# KiCad board VME_Protoboard_160.kicad_pcb (continued)
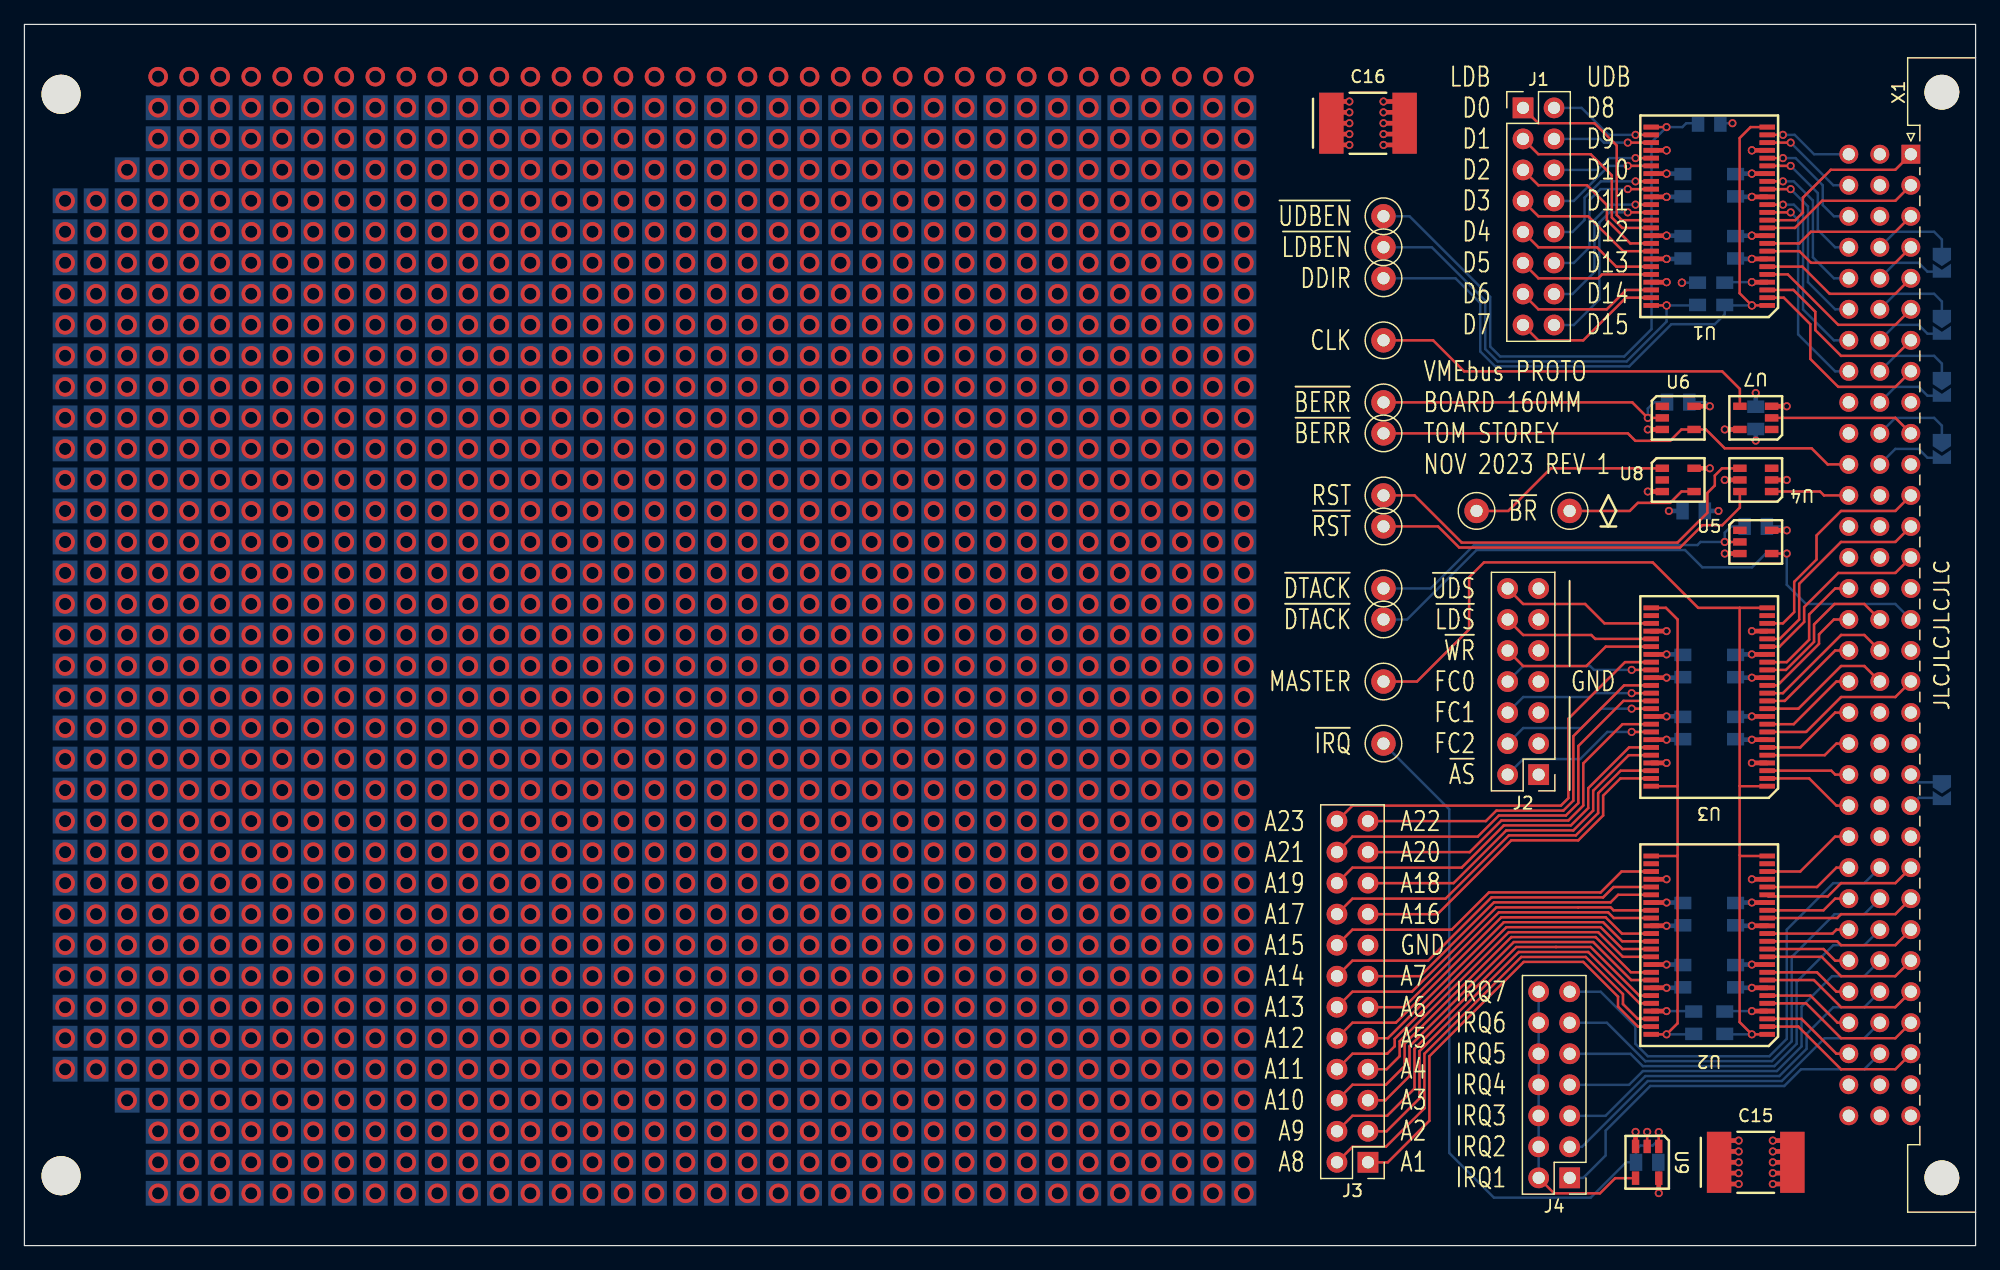
[diagram p0: board, top side]
## Routing (per net, layer and track width the routed paths; a pad name or vN(x,y) marks a point on that pad's centre or on a via; arc(x,y) is an arc through that point) (continued)
/~{IRQ7`}: length 40
  Bottom w0.203: 126.53,20.78 129.06,20.78 131.9,17.95 131.9,16.52 132.92,15.51 142.88,15.51 144.3,16.93 144.3,25.87 148.11,29.68 150.65,29.68 X1.b24
/~{IRQ}: length 58.8
  Top w0.203: v2(133.82,9.29) U9.1
  Bottom w0.203: v2(133.82,9.29) 133.82,8.68 133.33,8.19 132.31,8.19 131.96,7.84 R8.1 131.14,6.82 128.25,3.92 120.32,3.92 116.66,7.58 116.66,35.73 TP13.1
/~{LDBEN}: length 35.9
  Top w0.203: U1.48 v2(134.46,76.99)
  Bottom w0.203: R3.2 136.96,76.99 v2(134.46,76.99) 134.46,75.67 131.19,72.4 120.63,72.4 119.61,73.42 119.61,77.38 115.24,81.75 TP1.1
/~{LDS`}: length 17.3
  Top w0.203: U3.20 143.73,49.68 145.32,51.27 145.32,54.19 148.75,57.62 153.19,57.62 X1.a13
/~{LDS}: length 12.4
  Top w0.203: U3.29 128.62,49.68 128.3,50 122.71,50 J2.12
/~{SYSRESET`}: length 6.5
  Top w0.203: X1.c12 147.35,61.43 147.03,61.75 U4.1
/~{SYSRESET}: length 32.6
  Top w0.203: TP10.1 115.75,58.89 117.48,57.16 135.56,57.16 137.39,58.99 139.02,58.99 140.46,60.43 U4.6
/~{UDBEN}: length 51
  Top w0.203: U1.25 v2(134.46,91.59)
  Bottom w0.203: R2.2 136.07,91.91 135.75,91.59 v2(134.46,91.59) 133.23,90.36 133.23,75.04 130.99,72.81 120.83,72.81 120.02,73.62 120.02,77.69 113.41,84.29 TP3.1
/~{UDS`}: length 18.7
  Top w0.203: X1.a12 153.19,60.16 148.75,60.16 146.74,58.15 146.74,56.18 144.91,54.35 144.91,51.88 143.98,50.95 U3.22
/~{UDS}: length 12.9
  Top w0.203: J2.14 122.71,52.54 127.79,52.54 129.38,50.95 U3.27
/~{WRITE`}: length 15.5
  Top w0.203: U3.19 143.7,49.05 145.72,51.07 145.72,52.29 148.52,55.08 153.19,55.08 X1.a14
/~{WRITE}: length 12.9
  Top w0.203: U3.30 129.48,49.05 127.89,47.46 122.71,47.46 J2.10
Net-(J4-Pad10): length 24.2
  Top w0.203: U9.4 130.25,5.52 129.01,4.28 125.25,4.28 J4.2
  Bottom w0.203: J4.2 J4.4 J4.6 J4.8 J4.10 123.99,20.78
Net-(R5-Pad2): length 44.8
  Top w0.203: 135.36,37.66 135.36,51.27 134.41,52.22 U3.25 ; 135.36,37.66 135.32,37.62 U3.48 ; 135.36,37.66 135.36,18.2 v2(134.46,17.3) U2.48 ; 135.36,31.97 135.3,31.9 U2.25
  Bottom w0.203: R5.2 136.64,17.3 v2(134.46,17.3)
Net-(TP14-Pad1): length 10.8
  Top w0.203: TP14.1 131.45,60.16 132.11,60.82 134.75,60.82 135.68,61.75 U8.4

## Copper pours and planes (outline as drawn; the poured copper is in the pictures)
+5V on Bottom: 109.38,89.37 101.44,89.37 101.44,94.64 9.87,94.64 9.87,96.99 109.38,96.99
+5V on In2.Cu: 159.54,3.01 101.44,3.01 101.44,96.99 159.54,96.99
GND on Bottom (solid shape): 11.97,3.26 9.93,3.26 9.93,5.3 11.97,5.3
GND on Bottom (solid shape): 14.51,3.26 12.47,3.26 12.47,5.3 14.51,5.3
GND on Bottom (solid shape): 17.05,3.26 15.01,3.26 15.01,5.3 17.05,5.3
GND on Bottom (solid shape): 19.59,3.26 17.55,3.26 17.55,5.3 19.59,5.3
GND on Bottom (solid shape): 22.13,3.26 20.09,3.26 20.09,5.3 22.13,5.3
GND on Bottom (solid shape): 24.67,3.26 22.63,3.26 22.63,5.3 24.67,5.3
GND on Bottom (solid shape): 27.21,3.26 25.17,3.26 25.17,5.3 27.21,5.3
GND on Bottom (solid shape): 29.75,3.26 27.71,3.26 27.71,5.3 29.75,5.3
GND on Bottom (solid shape): 32.29,3.26 30.25,3.26 30.25,5.3 32.29,5.3
GND on Bottom (solid shape): 34.83,3.26 32.79,3.26 32.79,5.3 34.83,5.3
GND on Bottom (solid shape): 37.37,3.26 35.33,3.26 35.33,5.3 37.37,5.3
GND on Bottom (solid shape): 39.91,3.26 37.87,3.26 37.87,5.3 39.91,5.3
GND on Bottom (solid shape): 42.45,3.26 40.41,3.26 40.41,5.3 42.45,5.3
GND on Bottom (solid shape): 44.99,3.26 42.95,3.26 42.95,5.3 44.99,5.3
GND on Bottom (solid shape): 47.53,3.26 45.49,3.26 45.49,5.3 47.53,5.3
GND on Bottom (solid shape): 50.07,3.26 48.03,3.26 48.03,5.3 50.07,5.3
GND on Bottom (solid shape): 52.61,3.26 50.57,3.26 50.57,5.3 52.61,5.3
GND on Bottom (solid shape): 55.15,3.26 53.11,3.26 53.11,5.3 55.15,5.3
GND on Bottom (solid shape): 57.69,3.26 55.65,3.26 55.65,5.3 57.69,5.3
GND on Bottom (solid shape): 60.23,3.26 58.19,3.26 58.19,5.3 60.23,5.3
GND on Bottom (solid shape): 62.77,3.26 60.73,3.26 60.73,5.3 62.77,5.3
GND on Bottom (solid shape): 65.31,3.26 63.27,3.26 63.27,5.3 65.31,5.3
GND on Bottom (solid shape): 67.85,3.26 65.81,3.26 65.81,5.3 67.85,5.3
GND on Bottom (solid shape): 70.39,3.26 68.35,3.26 68.35,5.3 70.39,5.3
GND on Bottom (solid shape): 72.93,3.26 70.89,3.26 70.89,5.3 72.93,5.3
GND on Bottom (solid shape): 75.47,3.26 73.43,3.26 73.43,5.3 75.47,5.3
GND on Bottom (solid shape): 78.01,3.26 75.97,3.26 75.97,5.3 78.01,5.3
GND on Bottom (solid shape): 80.55,3.26 78.51,3.26 78.51,5.3 80.55,5.3
GND on Bottom (solid shape): 83.09,3.26 81.05,3.26 81.05,5.3 83.09,5.3
GND on Bottom (solid shape): 85.63,3.26 83.59,3.26 83.59,5.3 85.63,5.3
GND on Bottom (solid shape): 88.17,3.26 86.13,3.26 86.13,5.3 88.17,5.3
GND on Bottom (solid shape): 90.71,3.26 88.67,3.26 88.67,5.3 90.71,5.3
GND on Bottom (solid shape): 93.25,3.26 91.21,3.26 91.21,5.3 93.25,5.3
GND on Bottom (solid shape): 95.79,3.26 93.75,3.26 93.75,5.3 95.79,5.3
GND on Bottom (solid shape): 98.33,3.26 96.29,3.26 96.29,5.3 98.33,5.3
GND on Bottom (solid shape): 100.87,3.26 98.83,3.26 98.83,5.3 100.87,5.3
GND on In1.Cu: 159.54,3.01 0.16,3.01 0.16,96.99 159.54,96.99
GND on In2.Cu: 101.12,3.01 0.16,3.01 0.16,96.99 101.12,96.99
(no net) on Bottom: 143.67,34.12 142.4,34.12 142.4,35.39 143.67,35.39
(no net) on Bottom: 125.89,31.58 124.62,31.58 124.62,32.85 125.89,32.85
(no net) on Bottom: 120.81,31.58 119.53,31.58 119.53,32.85 120.81,32.85
(no net) on Bottom: 118.27,64.6 117,64.6 117,65.87 118.27,65.87
(no net) on Bottom: 130.97,31.58 129.7,31.58 129.7,32.85 130.97,32.85
(no net) on Bottom: 136.05,34.12 134.78,34.12 134.78,35.39 136.05,35.39
(no net) on Bottom: 123.34,64.6 122.08,64.6 122.08,65.87 123.34,65.87
(no net) on Bottom: 125.89,29.04 124.62,29.04 124.62,30.31 125.89,30.31
(no net) on Bottom: 128.43,29.04 127.16,29.04 127.16,30.31 128.43,30.31
(no net) on Bottom: 130.97,51.9 129.7,51.9 129.7,53.17 130.97,53.17
(no net) on Bottom: 133.51,34.12 132.24,34.12 132.24,35.39 133.51,35.39
(no net) on Bottom: 118.27,67.14 117,67.14 117,68.41 118.27,68.41
(no net) on Bottom: 125.89,64.6 124.62,64.6 124.62,65.87 125.89,65.87
(no net) on Bottom: 117.63,90 116.36,90 116.36,91.27 117.63,91.27
(no net) on Bottom: 128.43,67.14 127.16,67.14 127.16,68.41 128.43,68.41
(no net) on Bottom: 117.63,92.54 116.36,92.54 116.36,93.81 117.63,93.81
(no net) on Bottom: 120.81,29.04 119.53,29.04 119.53,30.31 120.81,30.31
(no net) on Bottom: 128.43,26.5 127.16,26.5 127.16,27.77 128.43,27.77
(no net) on Bottom: 125.89,67.14 124.62,67.14 124.62,68.41 125.89,68.41
(no net) on Bottom: 130.97,34.12 129.7,34.12 129.7,35.39 130.97,35.39
(no net) on Bottom: 117.63,87.46 116.36,87.46 116.36,88.73 117.63,88.73
(no net) on Bottom: 128.43,31.58 127.16,31.58 127.16,32.85 128.43,32.85
(no net) on Bottom: 123.34,67.14 122.08,67.14 122.08,68.41 123.34,68.41
(no net) on Bottom: 125.89,26.5 124.62,26.5 124.62,27.77 125.89,27.77
(no net) on Bottom: 123.34,26.5 122.08,26.5 122.08,27.77 123.34,27.77
(no net) on Bottom: 130.97,26.5 129.7,26.5 129.7,27.77 130.97,27.77
(no net) on Bottom: 138.59,34.12 137.31,34.12 137.31,35.39 138.59,35.39
(no net) on Bottom: 128.43,34.12 127.16,34.12 127.16,35.39 128.43,35.39
(no net) on Bottom: 146.09,34.13 144.82,34.13 144.82,35.4 146.09,35.4
(no net) on Bottom: 120.81,26.5 119.53,26.5 119.53,27.77 120.81,27.77
(no net) on Bottom: 120.81,67.14 119.53,67.14 119.53,68.41 120.81,68.41
(no net) on Bottom: 128.43,64.6 127.16,64.6 127.16,65.87 128.43,65.87
(no net) on Bottom: 123.34,31.58 122.08,31.58 122.08,32.85 123.34,32.85
(no net) on Bottom: 130.97,29.04 129.7,29.04 129.7,30.31 130.97,30.31
(no net) on Bottom: 120.81,64.6 119.53,64.6 119.53,65.87 120.81,65.87
(no net) on Bottom: 141.12,34.12 139.86,34.12 139.86,35.39 141.12,35.39
(no net) on Bottom: 123.34,29.04 122.08,29.04 122.08,30.31 123.34,30.31

Small or netless copper shapes (teardrops, artwork), in the pictures only: 1349 on Bottom

## Text on the board
B.Silkscreen: A23 / A21 / A19 / A17 / A15 / A14 / A13 / A12 / A11 / A10 / A9 / A8 | ~{UDBEN} | ~{LDBEN} | DDIR | CLK | ~{BERR} | RST | ~{RST} | ~{DTACK} | MASTER | ~{IRQ} | ~{UDS} / ~{LDS} / ~{WR} / FC0 / FC1 / FC2 / ~{AS} | LDB / D0 / D1 / D2 / D3 / D4 / D5 / D6 / D7 | IRQ7 / IRQ6 / IRQ5 / IRQ4 / IRQ3 / IRQ2 / IRQ1 | ~{BR} | +5V | GND | A22 / A20 / A18 / A16 / GND / A7 / A6 / A5 / A4 / A3 / A2 / A1 | UDB / D8 / D9 / D10 / D11 / D12 / D13 / D14 / D15 | BG3 | BG0 | IACK
F.Silkscreen: JLCJLCJLCJLC | A22 / A20 / A18 / A16 / GND / A7 / A6 / A5 / A4 / A3 / A2 / A1 | VMEbus PROTO / BOARD 160MM / TOM STOREY / NOV 2023 REV ${REVISION} | GND | UDB / D8 / D9 / D10 / D11 / D12 / D13 / D14 / D15 | ~{BR} | A23 / A21 / A19 / A17 / A15 / A14 / A13 / A12 / A11 / A10 / A9 / A8 | ~{UDBEN} | ~{LDBEN} | DDIR | CLK | ~{BERR} | RST | ~{RST} | ~{DTACK} | MASTER | ~{IRQ} | ~{UDS} / ~{LDS} / ~{WR} / FC0 / FC1 / FC2 / ~{AS} | LDB / D0 / D1 / D2 / D3 / D4 / D5 / D6 / D7 | IRQ7 / IRQ6 / IRQ5 / IRQ4 / IRQ3 / IRQ2 / IRQ1
